# KiCad board IotKnob.kicad_pcb (continued)
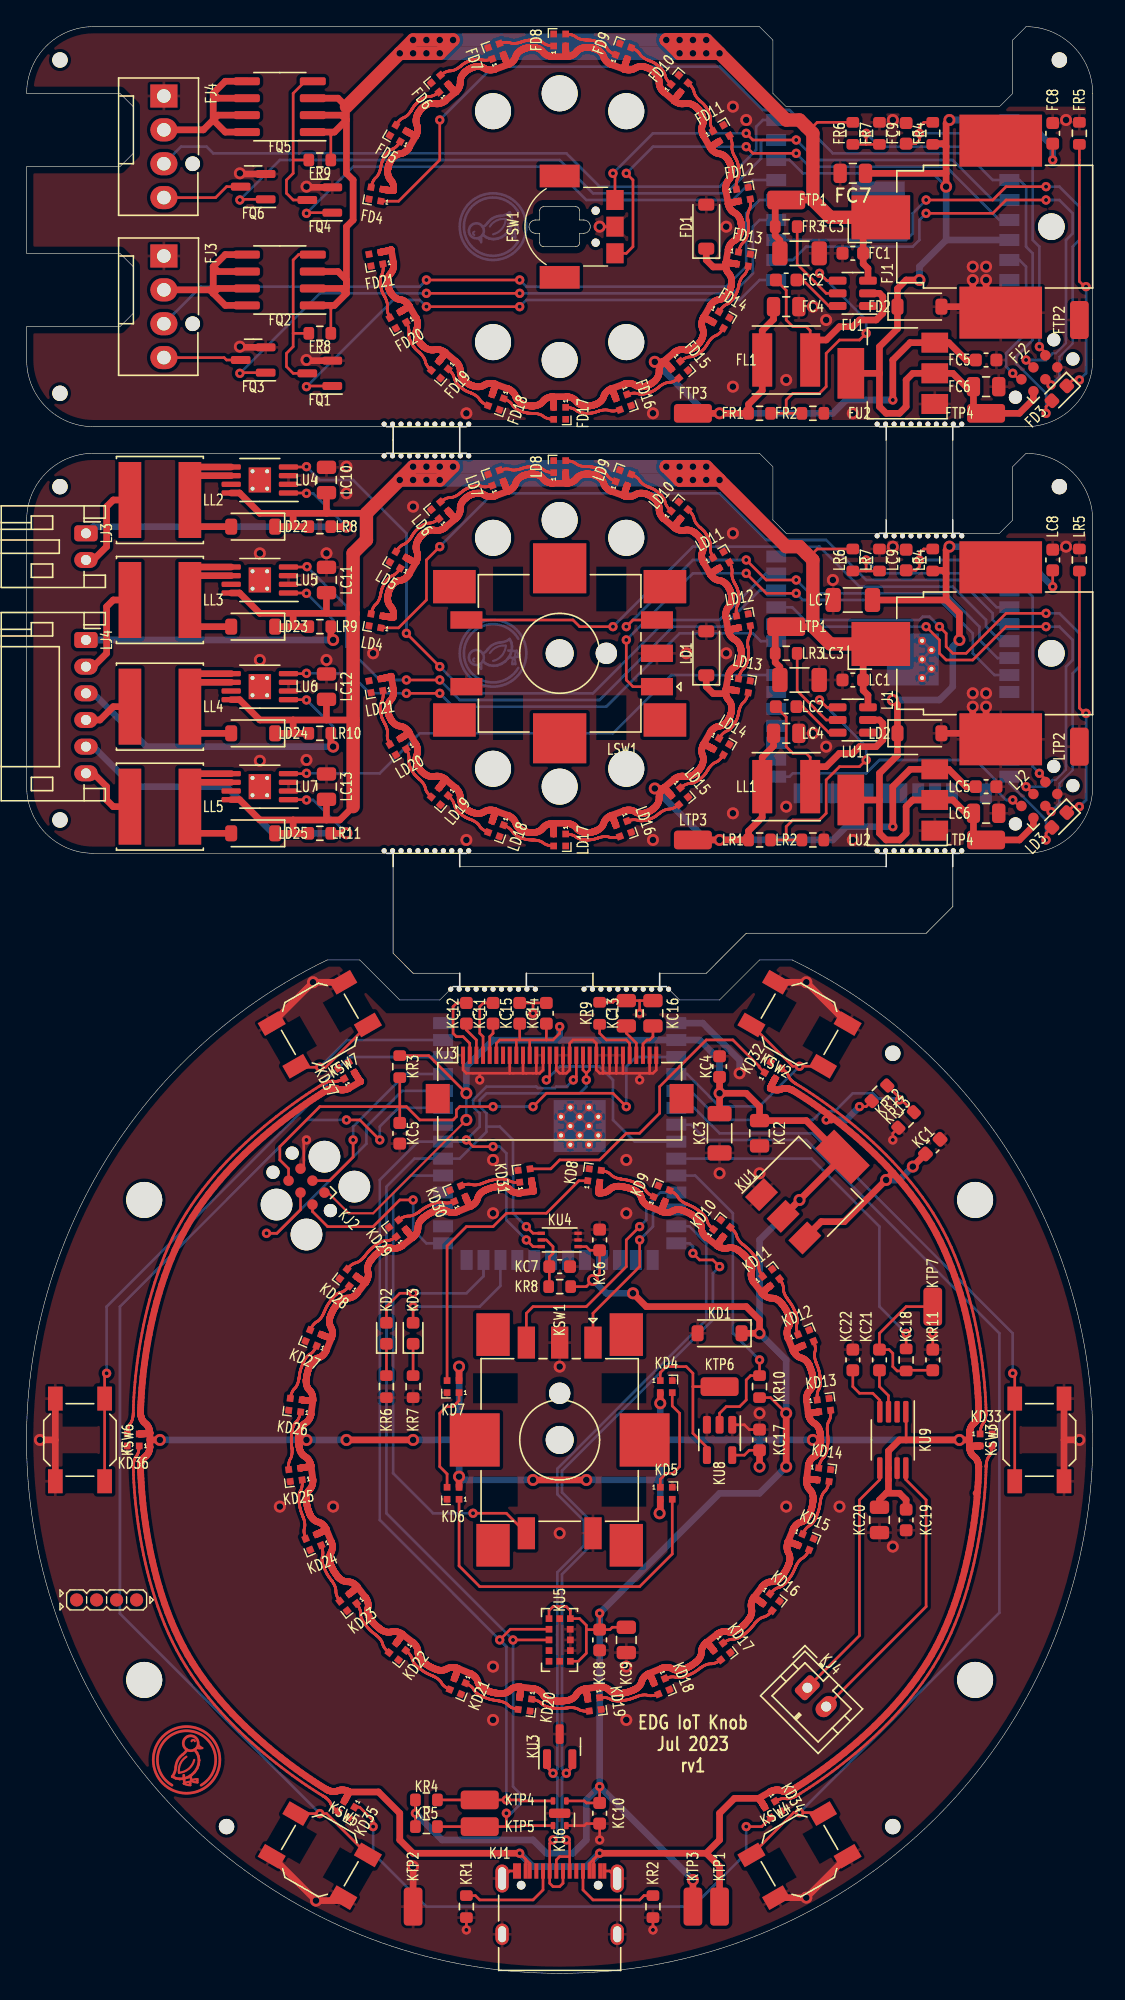
[diagram p0: board, top side]
## Routing (per net, layer and track width the routed paths; a pad name or vN(x,y) marks a point on that pad's centre or on a via; arc(x,y) is an arc through that point) (continued)

## Copper pours and planes (outline as drawn; the poured copper is in the pictures)
gnd on Top, Bottom: 81,147.01 81,115.01 -1,115.01 -1,147.01
gnd on Top, Bottom: 81,-0.99 -1,-0.99 -1,77.01 22,77.01 27,72.01 53,72.01 58,77.01 81,77.01
gnd on Top, Bottom: 81,115.01 81,83.01 -1,83.01 -1,115.01

## Text on the board
B.Silkscreen: EDG IoT Fan / Jul 23 / rv1
F.Silkscreen: EDG IoT Knob / Jul 2023 / rv1
